# Altium PCB DAC_Sources.PcbDoc (part 1 of 9) (continued)
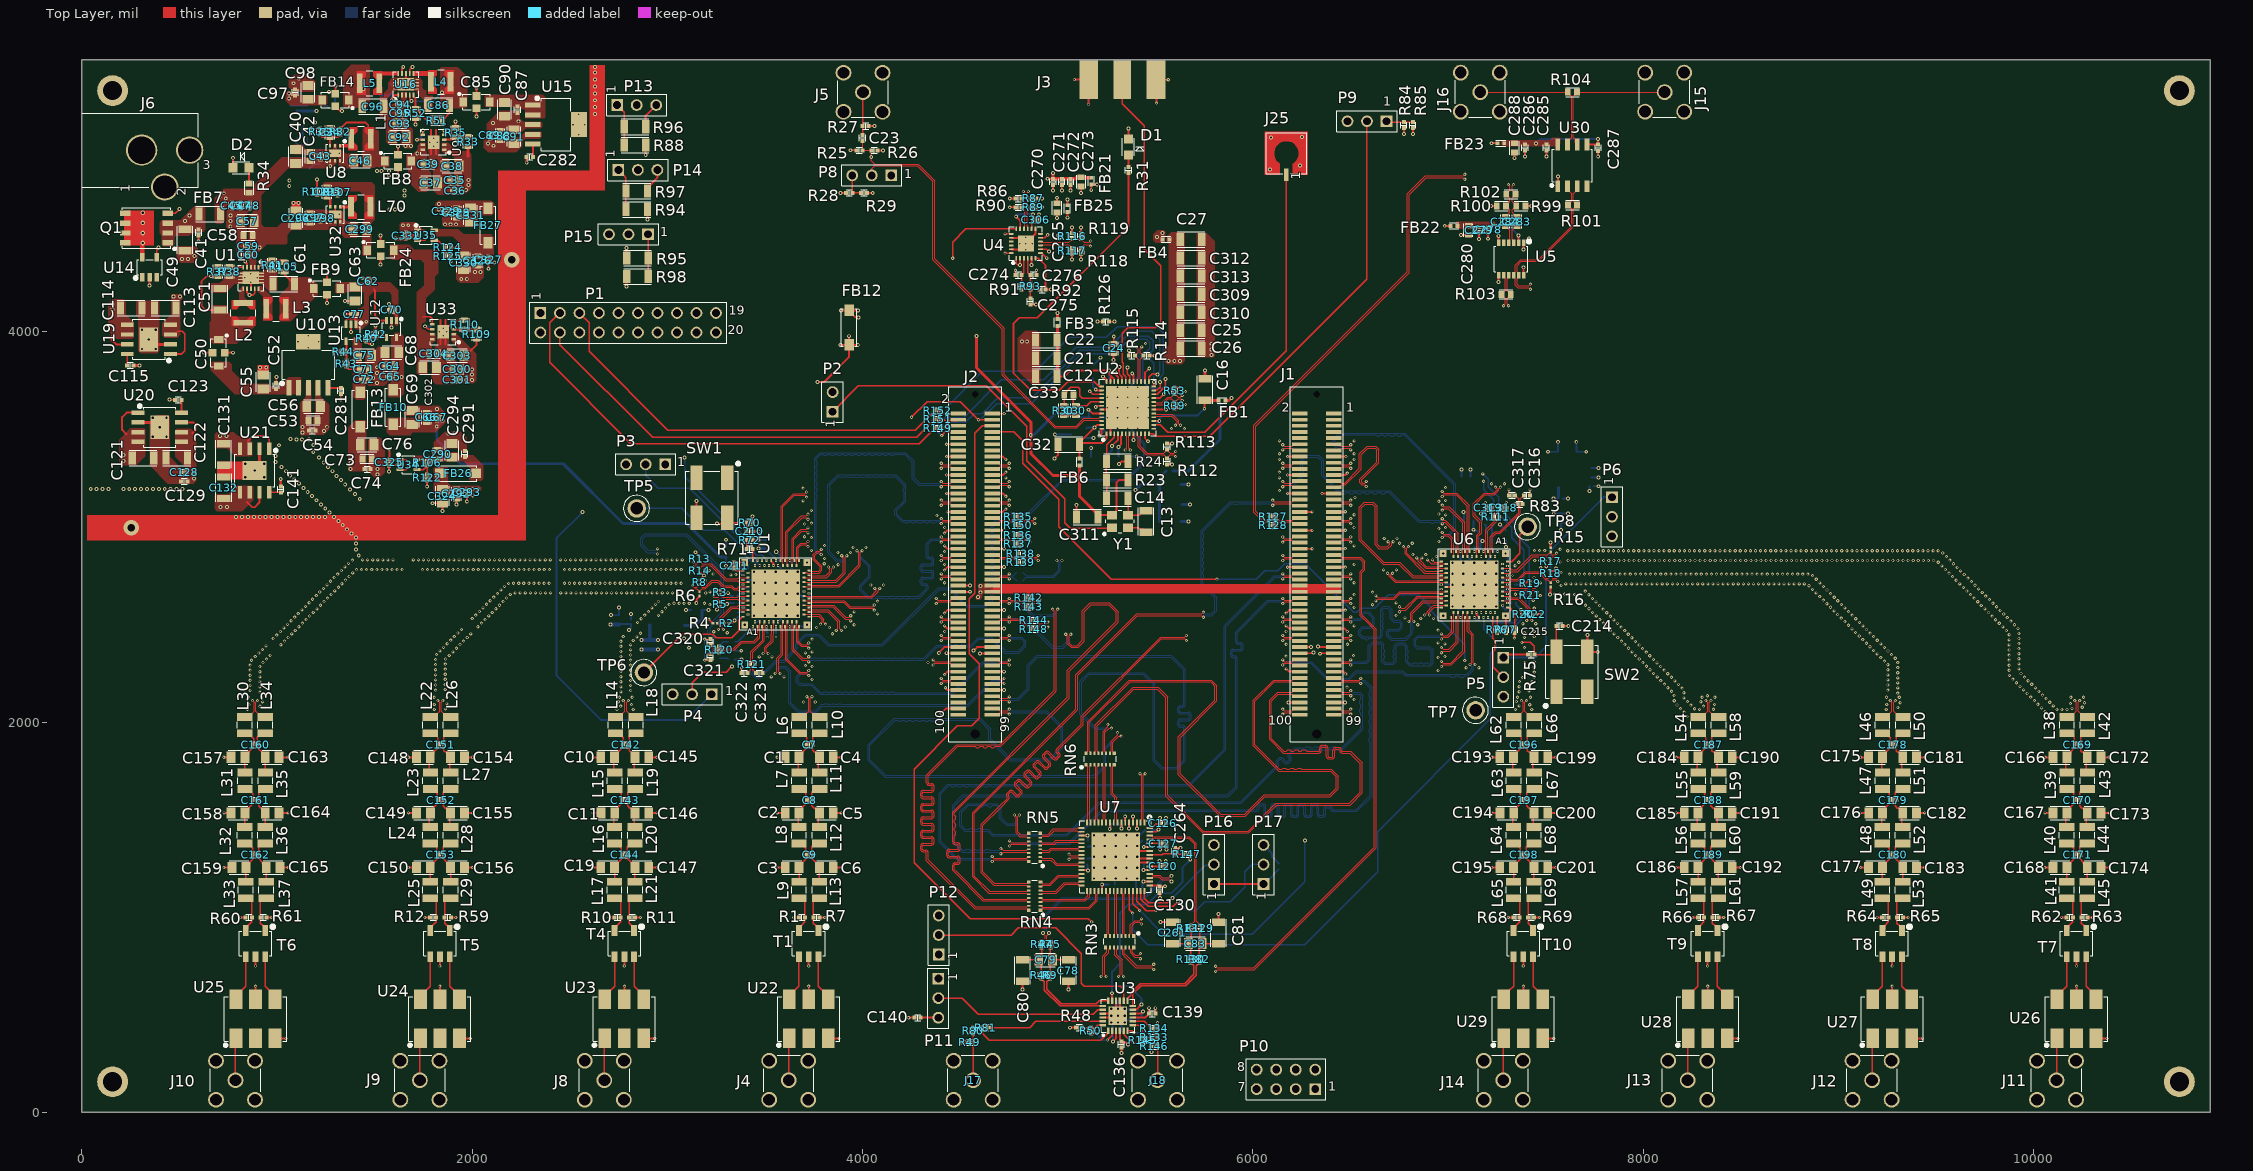
[diagram p0: Top Layer view]
## Components (designator, comment, footprint, x,y, rotation, side; value= is the part's Value field where it differs from the comment)
C1 "600F110JT250XT" C0805 3639.65,1820 r0 top value="11 pF"
C2 "600F120JT250XT" C0805 3640.08,1535 r0 top value="11 pF"
C3 "600F110JT250XT" C0805 3639.65,1255 r0 top value="11 pF"
C4 "600F110JT250XT" C0805 3814.65,1820 r180 top value="11 pF"
C5 "600F120JT250XT" C0805 3814.65,1535 r180 top value="11 pF"
C6 "600F110JT250XT" C0805 3814.65,1255 r180 top value="11 pF"
C7 "GJM1555C1H3R3CB01D" C0402 3729.88,1885 r0 top
C8 "GJM1555C1H3R3CB01D" C0402 3730.39,1600 r0 top
C9 "GJM1555C1H3R3CB01D" C0402 3729.88,1320 r0 top
C10 "600F110JT250XT" C0805 2694.76,1820 r0 top value="11 pF"
C11 "600F120JT250XT" C0805 2695.2,1535 r0 top value="11 pF"
C12 "CL31B103KHFNNNE" C1206 4941.34,3771.26 r180 top
C13 "C1206C150J5GACTU" C1206 5453.15,3027.56 r270 top value="15 pF"
C14 "CL31B103KHFNNNE" C1206 5305.51,3146.85 r180 top
C15 "CL10A475KP8NNNC" C0603 5472.05,3509.84 r180 bottom
C16 "CL31B103KHFNNNE" C1206 5754.72,3703.94 r90 top
C17 "CL10A475KP8NNNC" C0603 5191.73,3560.24 r0 bottom
C18 "CL31B103KHFNNNE" C1206 5067.32,3529.13 r270 bottom
C19 "600F110JT250XT" C0805 2694.76,1255 r0 top value="11 pF"
C20 "CL10A475KP8NNNC" C0603 5268.11,3735.83 r270 bottom
C21 "CL31B103KHFNNNE" C1206 4941.34,3864.57 r180 top
C22 "CL31B103KHFNNNE" C1206 4941.73,3957.48 r180 top
C23 "C1005X7R1E102K050BA" C0402 4000.39,4993.31 r90 top
C24 "CL10A475KP8NNNC" C0603 5287.4,3914.57 r90 top
C25 "CL31B103KHFNNNE" C1206 5683.07,4006.69 r0 top
C26 "CL31B103KHFNNNE" C1206 5683.07,3913.39 r0 top
C27 "CL31B103KHFNNNE" C1206 5683.07,4472.83 r0 top
C28 "CL10A475KP8NNNC" C0603 5337.4,3360.24 r0 bottom
C29 "CL31B103KHFNNNE" C1206 5575.98,3123.62 r0 bottom
C30 "CL10A475KP8NNNC" C0603 5090.55,3596.85 r90 top
C31 "CL10A475KP8NNNC" C0603 5147.24,3480.32 r270 bottom
C32 "CL31B103KHFNNNE" C1206 5056.69,3422.05 r180 top
C33 "GCM188R71C274KA37D" C0603 5057.48,3677.17 r0 top
C34 "C0603C220J5GACTU" C0603 1271.65,5022.05 r270 top value="22 pF"
C35 "C1608X7R1C105K080AC" C0603 1911.81,4775.98 r0 top
C36 "C1005X7R1E103K050BB" C0402 1912.2,4723.23 r180 top
C37 "GRM21BR71A106KE51L" C0805 1787.4,4764.17 r180 top
C38 "GRM21BR71A106KE51L" C0805 1896.85,4848.82 r0 top
C39 "C1608X7R1C105K080AC" C0603 1774.8,4859.84 r180 top
C40 "GRM21BR71A106KE51L" C0805 1096.06,4898.03 r270 top
C41 "C1005X7R1C104K050BC" C0402 598.82,4508.66 r270 top
C42 "C1608X7R1C105K080AC" C0603 1168.9,4898.43 r270 top
C43 "C1005X7R1C104K050BC" C0402 1222.83,4899.21 r90 top
C44 "C1005X7R1C104K050BC" C0402 1758.66,5002.76 r0 bottom
C45 "C1005X5R1C105K050BC" C0402 768.5,4646.85 r90 top
C46 "GRM21BR71A106KE51L" C0805 1426.77,4875.59 r0 top
C47 "C1005X7R1C104K050BC" C0402 813.39,4646.85 r270 top
C48 "C1005X7R1E103K050BB" C0402 858.27,4647.24 r270 top
C49 "GRM31CR61A476ME15L" C1206 527.95,4470.08 r270 top
C50 "NFM31PC276B0J3L" FP-NFM31-0_2-MFG 701.18,3892.91 r270 top
C51 "CL31A226MOCLNNC" C1206 707.87,4166.54 r90 top
C52 "LMK105BJ225KV-F" C0402 995.87,3722.83 r90 top
C53 "C1608X7R1C105K080AC" C0603 1184.45,3546.46 r0 top
C54 "C1005X7R1E103K050BB" C0402 1180.32,3493.31 r180 top
C55 "GRM21BR71A106KE51L" C0805 929.53,3743.31 r270 top
C56 "GRM21BR71A106KE51L" C0805 1187.99,3616.54 r0 top
C57 "GRM21BR71A106KE51L" C0805 847.64,4566.54 r0 top
C58 "C1608X7R1C105K080AC" C0603 851.57,4492.91 r0 top
C59 "C1005X7R1E103K050BB" C0402 852.36,4439.76 r180 top
C60 "C1005X7R1C104K050BC" C0402 851.97,4394.88 r180 top
C61 "CL31A226MOCLNNC" C1206 1034.65,4244.09 r180 top
C62 "C1005X7R1E103K050BB" C0402 1468.11,4259.84 r90 top
C63 "GRM21BR71A106KE51L" C0805 1400,4194.09 r90 top
C64 "C1608X7R1C105K080AC" C0603 1578.35,3822.44 r0 top
C65 "C1005X7R1E103K050BB" C0402 1579.53,3769.68 r180 top
C66 "C1608X7R1C105K080AC" C0603 1765.75,3561.42 r270 top
C67 "C1005X7R1E103K050BB" C0402 1819.68,3561.02 r90 top
C68 "GRM21BR71A106KE51L" C0805 1588.19,3893.31 r0 top
C69 "GRM21BR71A106KE51L" C0805 1693.31,3561.42 r270 top
C70 "LMK105BJ225KV-F" C0402 1588.98,4112.6 r180 top
C71 "C1608X7R1C105K080AC" C0603 1447.24,3808.27 r180 top
C72 "C1005X7R1E103K050BB" C0402 1446.85,3755.91 r0 top
C73 "C1608X7R1C105K080AC" C0603 1461.81,3349.21 r180 top
C74 "C1005X7R1E103K050BB" C0402 1463.39,3296.06 r0 top
C75 "GRM21BR71A106KE51L" C0805 1448.03,3879.13 r180 top
C76 "GRM21BR71A106KE51L" C0805 1461.81,3421.26 r180 top
C77 "LMK105BJ225KV-F" C0402 1395.28,4090.94 r180 top
C78 "C1206C150J5GACTU" C1206 5055.51,727.17 r270 top value="15 pF"
C79 "CBR08C509A1GAC" C0805 4938.98,781.5 r180 top value="5.0 pF"
C80 "C1206C150J5GACTU" C1206 4819.29,726.77 r270 top value="15 pF"
C81 "C1206C150J5GACTU" C1206 5824.8,919.69 r90 top value="15 pF"
C83 "CBR08C509A1GAC" C0805 5705.91,864.96 r180 top value="5.0 pF"
C85 "NFM31PC276B0J3L" FP-NFM31-0_2-MFG 2022.05,5177.17 r0 top
C86 "CL31A226MOCLNNC" C1206 1828.35,5160.24 r180 top
C87 "LMK105BJ225KV-F" C0402 2232.68,5138.19 r270 top
C88 "C1608X7R1C105K080AC" C0603 2143.31,5005.51 r270 top
C89 "C1005X7R1E103K050BB" C0402 2090.94,5006.69 r90 top
C90 "GRM21BR71A106KE51L" C0805 2166.54,5140.16 r90 top
C91 "GRM21BR71A106KE51L" C0805 2213.78,5000.39 r270 top
C92 "GRM21BR71A106KE51L" C0805 1627.17,4996.85 r0 top
C93 "C1608X7R1C105K080AC" C0603 1630.32,5067.32 r0 top
C94 "C1005X7R1E103K050BB" C0402 1631.89,5164.57 r180 top
C95 "C1005X7R1C104K050BC" C0402 1631.5,5119.68 r180 top
C96 "CL31A226MOCLNNC" C1206 1491.34,5153.54 r0 top
C97 "C1005X7R1E103K050BB" C0402 1093.31,5226.38 r90 top
C98 "GRM21BR71A106KE51L" C0805 1159.06,5226.77 r270 top
C99 "C1608X7R1C105K080AC" C0603 1290.75,4962.8 r0 bottom
C100 "C1005X7R1E103K050BB" C0402 1372.44,5028.74 r270 bottom
C101 "C1608X7R1C105K080AC" C0603 1550.39,4915.75 r0 bottom
C102 "C1005X7R1E103K050BB" C0402 1548.82,4860.24 r180 bottom
C103 "GRM21BR71A106KE51L" C0805 1276.77,5035.83 r0 bottom
C104 "GRM21BR71A106KE51L" C0805 1543.31,4988.98 r0 bottom
C105 "LMK105BJ225KV-F" C0402 1102.76,5118.5 r90 bottom
C106 "C1608X7R1C105K080AC" C0603 1127.56,4762.99 r0 bottom
C107 "C1005X7R1E103K050BB" C0402 1127.56,4710.24 r180 bottom
C108 "C1608X7R1C105K080AC" C0603 1557.48,4697.24 r90 bottom
C109 "C1005X7R1E103K050BB" C0402 1612.2,4694.88 r270 bottom
C110 "GRM21BR71A106KE51L" C0805 1117.28,4833.5 r0 bottom
C111 "GRM21BR71A106KE51L" C0805 1486.22,4697.24 r90 bottom
C112 "LMK105BJ225KV-F" C0402 1119.29,5053.54 r0 bottom
C113 "CL31B475KPHNNNE" C1206 427.56,4122.05 r180 top
C114 "CL31B475KPHNNNE" C1206 252.76,4122.05 r0 top
C115 "C1005X7R1E103K050BB" C0402 248.43,3827.95 r0 top
C116 "C1005X7R1C104K050BC" C0402 5154.72,1375.98 r270 bottom
C117 "C1005X7R1C104K050BC" C0402 6132.68,1261.02 r90 bottom
C118 "C1005X7R1C104K050BC" C0402 5443.7,1287.01 r90 bottom
C119 "C1005X7R1C104K050BC" C0402 5418.11,1152.36 r180 bottom
C120 "C1005X7R1C104K050BC" C0402 5540.16,1261.42 r0 top
C121 "CL31B475KPHNNNE" C1206 313.39,3354.33 r0 top
C122 "CL31B475KPHNNNE" C1206 486.22,3354.33 r180 top
C123 "C1005X7R1E103K050BB" C0402 493.7,3651.57 r180 top
C124 "C1005X7R1C104K050BC" C0402 5448.03,1393.27 r180 bottom
C125 "C1005X7R1C104K050BC" C0402 5463.39,1447.24 r180 bottom
C126 "C1005X7R1C104K050BC" C0402 5539.76,1481.1 r0 top
C127 "C1005X7R1C104K050BC" C0402 5541.73,1376.77 r0 top
C128 "C1005X7R1C104K050BC" C0402 524.41,3279.53 r180 top
C129 "C1005X7R1C104K050BC" C0402 524.8,3234.25 r180 top
C130 "C1005X7R1C104K050BC" C0402 5522.83,1141.34 r270 top
C131 "CL31B475KPHNNNE" C1206 726.77,3372.05 r270 top
C132 "CL31B475KPHNNNE" C1206 727.17,3200.79 r90 top
C133 "C1005X7R1C104K050BC" C0402 5295.24,1479.69 r0 bottom
C134 "C1005X7R1C104K050BC" C0402 5150.79,1285.43 r90 bottom
C135 "C1005X7R1C104K050BC" C0402 5276.77,1166.93 r0 bottom
C136 "C1005X7R1C104K050BC" C0402 5326.38,348.43 r270 top
C137 "C1005X7R1C104K050BC" C0402 5281.1,408.66 r90 bottom
C138 "C1005X7R1C104K050BC" C0402 5394.88,478.35 r180 bottom
C139 "C1005X7R1C104K050BC" C0402 5484.65,506.3 r0 top
C140 "C1005X7R1C104K050BC" C0402 4282.68,485.83 r180 top
C141 "C1005X7R1E103K050BB" C0402 1019.29,3192.91 r90 top
C142 "GJM1555C1H3R3CB01D" C0402 2789.13,1885 r0 top
C143 "GJM1555C1H3R3CB01D" C0402 2785.51,1600 r0 top
C144 "GJM1555C1H3R3CB01D" C0402 2784.88,1320 r0 top
C145 "600F110JT250XT" C0805 2869.76,1820 r180 top value="11 pF"
C146 "600F120JT250XT" C0805 2869.76,1535 r180 top value="11 pF"
C147 "600F110JT250XT" C0805 2869.76,1255 r180 top value="11 pF"
C148 "600F110JT250XT" C0805 1749.88,1820 r0 top value="11 pF"
C149 "600F120JT250XT" C0805 1750.31,1535 r0 top value="11 pF"
C150 "600F110JT250XT" C0805 1749.88,1255 r0 top value="11 pF"
C151 "GJM1555C1H3R3CB01D" C0402 1839.88,1885 r0 top
C152 "GJM1555C1H3R3CB01D" C0402 1840.63,1600 r0 top
C153 "GJM1555C1H3R3CB01D" C0402 1839.88,1320 r0 top
C154 "600F110JT250XT" C0805 1924.88,1820 r180 top value="11 pF"
C155 "600F120JT250XT" C0805 1924.88,1535 r180 top value="11 pF"
C156 "600F110JT250XT" C0805 1924.88,1255 r180 top value="11 pF"
C157 "600F110JT250XT" C0805 800,1820 r0 top value="11 pF"
C158 "600F120JT250XT" C0805 800.43,1535 r0 top value="11 pF"
C159 "600F110JT250XT" C0805 805,1255 r0 top value="11 pF"
C160 "GJM1555C1H3R3CB01D" C0402 890.35,1885 r0 top
C161 "GJM1555C1H3R3CB01D" C0402 890.75,1600 r0 top
C162 "GJM1555C1H3R3CB01D" C0402 890.35,1320 r0 top
C163 "600F110JT250XT" C0805 975,1820 r180 top value="11 pF"
C164 "600F120JT250XT" C0805 975,1535 r180 top value="11 pF"
C165 "600F110JT250XT" C0805 980,1255 r180 top value="11 pF"
C166 "600F110JT250XT" C0805 10135.71,1820 r0 top value="11 pF"
C167 "600F120JT250XT" C0805 10136.14,1535 r0 top value="11 pF"
C168 "600F110JT250XT" C0805 10135.71,1255 r0 top value="11 pF"
C169 "GJM1555C1H3R3CB01D" C0402 10225.94,1885 r0 top
C170 "GJM1555C1H3R3CB01D" C0402 10226.46,1600 r0 top
C171 "GJM1555C1H3R3CB01D" C0402 10225.94,1320 r0 top
C172 "600F110JT250XT" C0805 10310.71,1820 r180 top value="11 pF"
C173 "600F120JT250XT" C0805 10310.71,1535 r180 top value="11 pF"
C174 "600F110JT250XT" C0805 10310.71,1255 r180 top value="11 pF"
C175 "600F110JT250XT" C0805 9190.83,1820 r0 top value="11 pF"
C176 "600F120JT250XT" C0805 9191.26,1535 r0 top value="11 pF"
C177 "600F110JT250XT" C0805 9190.83,1255 r0 top value="11 pF"
C178 "GJM1555C1H3R3CB01D" C0402 9281.06,1885 r0 top
C179 "GJM1555C1H3R3CB01D" C0402 9281.57,1600 r0 top
C180 "GJM1555C1H3R3CB01D" C0402 9281.06,1320 r0 top
C181 "600F110JT250XT" C0805 9365.83,1820 r180 top value="11 pF"
C182 "600F120JT250XT" C0805 9365.83,1535 r180 top value="11 pF"
C183 "600F110JT250XT" C0805 9365.83,1255 r180 top value="11 pF"
C184 "600F110JT250XT" C0805 8245.94,1820 r0 top value="11 pF"
C185 "600F120JT250XT" C0805 8246.38,1535 r0 top value="11 pF"
C186 "600F110JT250XT" C0805 8245.94,1255 r0 top value="11 pF"
C187 "GJM1555C1H3R3CB01D" C0402 8336.18,1885 r0 top
C188 "GJM1555C1H3R3CB01D" C0402 8336.69,1600 r0 top
C189 "GJM1555C1H3R3CB01D" C0402 8336.18,1320 r0 top
C190 "600F110JT250XT" C0805 8420.94,1820 r180 top value="11 pF"
C191 "600F120JT250XT" C0805 8420.94,1535 r180 top value="11 pF"
C192 "600F110JT250XT" C0805 8420.94,1255 r180 top value="11 pF"
C193 "600F110JT250XT" C0805 7301.06,1820 r0 top value="11 pF"
C194 "600F120JT250XT" C0805 7301.5,1535 r0 top value="11 pF"
C195 "600F110JT250XT" C0805 7301.06,1255 r0 top value="11 pF"
C196 "GJM1555C1H3R3CB01D" C0402 7391.3,1885 r0 top
C197 "GJM1555C1H3R3CB01D" C0402 7391.81,1600 r0 top
C198 "GJM1555C1H3R3CB01D" C0402 7391.3,1320 r0 top
C199 "600F110JT250XT" C0805 7476.06,1820 r180 top value="11 pF"
C200 "600F120JT250XT" C0805 7476.06,1535 r180 top value="11 pF"
C201 "600F110JT250XT" C0805 7476.06,1255 r180 top value="11 pF"
C202 "LMK063BJ224MP-F" C0201 3582.28,2775.59 r270 bottom
C203 "LMK063BJ224MP-F" C0201 3706.85,2637.8 r180 bottom
C204 "LMK063BJ224MP-F" C0201 3583.07,2537.4 r90 bottom
C205 "LMK107BJ106MALTD" C0603 2909.45,2396.46 r270 bottom
C206 "LMK063BJ224MP-F" C0201 7108.27,2822.05 r270 bottom
C207 "LMK063BJ224MP-F" C0201 7735.43,3208.66 r0 bottom
C208 "LMK063BJ224MP-F" C0201 6976.77,2704.72 r0 bottom
C209 "LMK107BJ106MALTD" C0603 7734.65,3278.35 r90 bottom
C210 "C1005X7R1E102K050BA" C0402 3421.65,2977.56 r0 top
C211 "C1005X7R1C104K050BC" C0402 3342.13,2801.97 r90 top
C212 "C1005X7R1C104K050BC" C0402 3330.71,2321.26 r0 bottom
C213 "C1005X7R1E102K050BA" C0402 3330.31,2365.75 r0 bottom
C214 "C1005X7R1E102K050BA" C0402 7571.26,2492.52 r0 top
C215 "C1005X7R1C104K050BC" C0402 7341.34,2472.83 r270 top
C216 "C1005X7R1C104K050BC" C0402 7189.76,3027.95 r90 bottom
C217 "C1005X7R1E102K050BA" C0402 7233.46,3027.95 r90 bottom
C218 "LMK063BJ104KP-F" C0201 3470.08,2531.1 r90 bottom
C219 "LMK063BJ224MP-F" C0201 3110.24,2417.72 r270 bottom
C220 "LMK063BJ224MP-F" C0201 3412.6,2775.2 r90 bottom
C221 "LMK063BJ224MP-F" C0201 3424.02,2687.4 r0 bottom
C222 "LMK063BJ224MP-F" C0201 3399.61,2728.74 r0 bottom
C223 "LMK063BJ224MP-F" C0201 3425.2,2631.1 r0 bottom
C224 "LMK063BJ224MP-F" C0201 3352.36,2611.02 r180 bottom
C225 "LMK063BJ224MP-F" C0201 3420.47,2574.8 r0 bottom
C226 "LMK107BJ106MALTD" C0603 3153.94,2573.23 r180 bottom
C227 "LMK063BJ224MP-F" C0201 3580.71,2839.37 r90 bottom
C228 "LMK063BJ224MP-F" C0201 3637.8,2799.21 r270 bottom
C229 "LMK063BJ224MP-F" C0201 3556.3,2446.46 r270 bottom
C230 "LMK063BJ224MP-F" C0201 3665.35,2491.34 r0 bottom
C231 "LMK107BJ106MALTD" C0603 3507.87,2909.84 r90 bottom
C232 "LMK063BJ224MP-F" C0201 3362.6,2551.57 r270 bottom
C233 "LMK063BJ224MP-F" C0201 3347.24,2646.85 r180 bottom
C234 "LMK063BJ224MP-F" C0201 3375.59,2776.77 r90 bottom
C235 "LMK107BJ106MALTD" C0603 3300.79,2870.08 r90 bottom
C236 "LMK063BJ224MP-F" C0201 3513.78,2446.46 r270 bottom
C237 "LMK063BJ224MP-F" C0201 2813.39,2513.78 r90 bottom
C238 "LMK107BJ106MALTD" C0603 2751.57,2524.02 r90 bottom
C239 "LMK063BJ104KP-F" C0201 7230.32,2848.43 r180 bottom
C240 "LMK063BJ224MP-F" C0201 7577.95,3145.28 r0 bottom
C241 "LMK063BJ224MP-F" C0201 7261.02,2787.01 r180 bottom
C242 "LMK063BJ224MP-F" C0201 7264.57,2731.89 r180 bottom
C243 "LMK063BJ224MP-F" C0201 7319.29,2751.97 r0 bottom
C244 "LMK063BJ224MP-F" C0201 7270.87,2675.59 r180 bottom
C245 "LMK063BJ224MP-F" C0201 7273.23,2622.05 r180 bottom
C246 "LMK063BJ224MP-F" C0201 7307.09,2574.8 r0 bottom
C247 "LMK107BJ106MALTD" C0603 7297.24,2957.87 r90 bottom
C248 "LMK063BJ224MP-F" C0201 7051.57,2565.75 r90 bottom
C249 "LMK063BJ224MP-F" C0201 7156.81,2533.82 r90 bottom
C250 "LMK063BJ224MP-F" C0201 7064.17,2862.99 r270 bottom
C251 "LMK063BJ224MP-F" C0201 7135.04,2885.04 r90 bottom
C252 "LMK107BJ106MALTD" C0603 7092.13,3257.48 r180 bottom
C253 "LMK063BJ224MP-F" C0201 7307.48,2809.84 r90 bottom
C254 "LMK063BJ224MP-F" C0201 7332.28,2704.72 r0 bottom
C255 "LMK063BJ224MP-F" C0201 7337.8,2613.39 r0 bottom
C256 "LMK107BJ106MALTD" C0603 7578.74,3045.28 r90 bottom
C257 "LMK063BJ224MP-F" C0201 7153.15,2967.72 r270 bottom
C258 "LMK063BJ224MP-F" C0201 7178.35,2894.88 r180 bottom
C259 "LMK107BJ106MALTD" C0603 7106.69,3029.92 r180 bottom
C260 "C1005X7R1C104K050BC" C0402 5292.52,573.62 r0 bottom
C261 "C1206C150J5GACTU" C1206 5587.8,920.08 r90 top value="15 pF"
C263 "C1005X7R1C104K050BC" C0402 5391.34,523.23 r180 bottom
C264 "C1005X7R1C104K050BC" C0402 5601.57,1338.58 r90 top
C265 "CGB3B1X5R1A475K055AC" C0603 4996.46,4634.65 r90 top
C267 "GRM21BR61A106KE19L" C0805 5207.48,3357.48 r0 bottom
C268 "GRM21BR61A106KE19L" C0805 5180.71,3797.64 r270 bottom
C269 "GRM155R61A105KE15D" C0402 5252.36,3503.94 r0 bottom value=1uF
C270 "C1005X7R1E103K050BB" C0402 4976.57,4768.5 r270 top
C271 "C1005X7R1E103K050BB" C0402 5021.46,4768.5 r270 top
C272 "C1005X7R1E103K050BB" C0402 5066.34,4768.5 r270 top
C273 "CGB3B1X5R1A475K055AC" C0603 5120.28,4768.9 r270 top
C274 "C1005X7R1E103K050BB" C0402 4799.21,4291.34 r0 top
C275 "C1005X7R1E103K050BB" C0402 4859.84,4155.51 r90 top
C276 "C1005X7R1E103K050BB" C0402 4875.59,4291.34 r180 top
C277 "C1005X7R1E103K050BB" C0402 7376.38,4455.91 r0 bottom
C278 "C1005X7R1E103K050BB" C0402 7204.72,4522.44 r270 top
C279 "C1005X7R1E103K050BB" C0402 7159.45,4521.65 r270 top
C280 "CGB3B1X5R1A475K055AC" C0603 7104.33,4520.47 r270 top
C281 "C1005X7R1E103K050BB" C0402 1326.77,3697.24 r270 top
C282 "C1005X7R1E103K050BB" C0402 2295.28,4896.46 r180 top
C283 "CC0603KRX7R9BB103" C0603 7353.54,4564.57 r270 top value="10 nF"
C284 "CC0603KRX7R9BB103" C0603 7293.7,4564.57 r270 top value="10 nF"
C285 "C1005X7R1E103K050BB" C0402 7504.33,4944.09 r270 top
C286 "C1005X7R1E103K050BB" C0402 7394.49,4943.7 r270 top
C287 "C1005X7R1E103K050BB" C0402 7769.68,4943.31 r270 top
C288 "CGB3B1X5R1A475K055AC" C0603 7341.34,4942.91 r270 top
C290 "C1608X7R1C105K080AC" C0603 1823.23,3372.44 r270 top
C291 "C1005X7R1E103K050BB" C0402 1962.2,3373.62 r90 top
C292 "C1608X7R1C105K080AC" C0603 1919.68,3169.29 r90 top
C293 "C1005X7R1E103K050BB" C0402 1972.44,3177.56 r270 top
C294 "GRM21BR71A106KE51L" C0805 1896.06,3392.52 r270 top
C295 "C0603C220J5GACTU" C0603 1256.3,4716.54 r270 top value="22 pF"
C296 "GRM21BR71A106KE51L" C0805 1096.85,4583.07 r270 top
C297 "C1608X7R1C105K080AC" C0603 1169.29,4583.46 r270 top
C298 "C1005X7R1C104K050BC" C0402 1223.62,4580.71 r90 top
C299 "GRM21BR71A106KE51L" C0805 1424.8,4525.59 r0 top
C300 "C1608X7R1C105K080AC" C0603 1923.23,3807.87 r0 top
C301 "C1005X7R1E103K050BB" C0402 1924.41,3754.72 r180 top
C302 "GRM21BR71A106KE51L" C0805 1782.28,3816.93 r180 top
C303 "GRM21BR71A106KE51L" C0805 1923.62,3878.35 r0 top
C304 "C1608X7R1C105K080AC" C0603 1801.97,3888.19 r180 top
C305 "C1005X7R1C104K050BC" C0402 1805.12,4027.56 r0 bottom
C306 "C1005X7R1E103K050BB" C0402 4888.58,4573.62 r0 top
C309 "CL31B103KHFNNNE" C1206 5683.07,4192.52 r0 top
C310 "CL31B103KHFNNNE" C1206 5683.07,4099.61 r0 top
C311 "CL31B103KHFNNNE" C1206 5151.57,3051.18 r180 top
C312 "CL31B103KHFNNNE" C1206 5683.07,4379.13 r0 top
C313 "CL31B103KHFNNNE" C1206 5683.07,4285.83 r0 top
C314 "CL31B103KHFNNNE" C1206 5575.98,3029.13 r0 bottom
C315 "CL31B103KHFNNNE" C1206 5575.98,3218.11 r0 bottom
C316 "C1005X7R1E103K050BB" C0402 7404.73,3162.2 r0 top
C317 "C1005X7R1E103K050BB" C0402 7328.35,3162.2 r180 top
C318 "C1005X7R1E103K050BB" C0402 7283.27,3097.64 r0 top
C319 "C1005X7R1E103K050BB" C0402 7207.28,3097.64 r180 top
C320 "C1005X7R1E103K050BB" C0402 3220.08,2409.84 r90 top
C321 "C1005X7R1E103K050BB" C0402 3220.08,2333.47 r270 top
C322 "C1005X7R1E103K050BB" C0402 3395.08,2250.79 r180 top
C323 "C1005X7R1E103K050BB" C0402 3471.06,2250.79 r0 top
C324 "GRM21BR71A106KE51L" C0805 1847.24,3158.27 r90 top
C325 "LMK105BJ225KV-F" C0402 1574.8,3330.71 r270 top
C326 "C1608X7R1C105K080AC" C0603 2028.74,4363.39 r90 top
C327 "C1005X7R1E103K050BB" C0402 2082.28,4370.08 r270 top
C328 "C1608X7R1C105K080AC" C0603 1919.29,4609.84 r90 top
C329 "C1005X7R1E103K050BB" C0402 1867.32,4616.93 r270 top
C330 "GRM21BR71A106KE51L" C0805 1955.91,4354.33 r90 top
C331 "GRM21BR71A106KE51L" C0805 1991.73,4598.43 r90 top
C332 "LMK105BJ225KV-F" C0402 1661.81,4492.91 r270 top
D1 "LTST-C170GKT" FP-LTST-C170GKT-MFG 5362.6,4947.24 r270 top
D2 "LTST-C170TBKT" FP-LTST-C170TBKT-MFG 815.35,4840.94 r0 top
FB1 "BLM15PD121SN1D" BLM15 5842.13,3648.43 r180 top
FB2 "BLM15PD121SN1D" BLM15 4984.25,3596.46 r90 bottom
FB3 "BLM15PD121SN1D" BLM15 4998.82,4048.43 r270 top
FB4 "BLM15PD121SN1D" BLM15 5555.12,4473.62 r0 top
FB5 "BLM15PD121SN1D" BLM15 5573.62,3286.61 r180 bottom
FB6 "BLM15PD121SN1D" BLM15 5111.81,3332.68 r90 top
FB7 "FBMJ3216HM600-T" BEADC3216X130N 655.91,4603.54 r0 top
FB8 "NFM31PC276B0J3L" FP-NFM31-0_2-MFG 1620.08,4875.59 r0 top
FB9 "NFM31PC276B0J3L" FP-NFM31-0_2-MFG 1256.3,4222.05 r0 top
FB10 "BLM41PG102SN1L" BLM41 1595.28,3614.17 r270 top
FB11 "BLM18HE152SN1D" BLM18 3158.66,2479.92 r270 bottom
FB12 "BLM41PG102SN1L" BLM41 3931.89,4022.05 r270 top
FB13 "BLM41PG102SN1L" BLM41 1426.38,3602.76 r270 top
FB14 "NFM31PC276B0J3L" FP-NFM31-0_2-MFG 1299.21,5187.8 r180 top
FB15 "BLM41PG102SN1L" BLM41 1516.54,5134.25 r0 bottom
FB16 "BLM41PG102SN1L" BLM41 1311.42,4737.01 r0 bottom
FB17 "BLM41PG102SN1L" BLM41 2998.43,2495.67 r180 bottom
FB18 "BLM18HE152SN1D" BLM41 7563.39,3296.85 r270 bottom
FB19 "BLM41PG102SN1L" BLM41 7657.48,3296.85 r270 bottom
FB21 "BLM15PD121SN1D" BLM15 5172.24,4772.05 r90 top
FB22 "BLM15PD121SN1D" BLM15 7031.1,4542.91 r0 top
FB23 "BLM15PD121SN1D" BLM15 7270.87,4966.54 r0 top
FB24 "NFM31PC276B0J3L" FP-NFM31-0_2-MFG 1531.1,4418.5 r0 top
FB25 "BLM15PD121SN1D" BLM15 5050,4631.1 r270 top
FB26 "BLM41PG102SN1L" BLM41 1927.95,3274.8 r180 top
FB27 "BLM41PG102SN1L" BLM41 2081.1,4545.67 r90 top
J1 "61083-104400LF" AMPHENOL_61083-104400LF 6327.76,2809.72 r270 top
J2 "61083-104400LF" AMPHENOL_61083-104400LF 4577.76,2809.72 r270 top
J3 "142-0701-801" FP-142-0701-801-MFG 5331.44,5299.61 r0 top
J4 "731000114" MOLX-731000114_V 3622.05,165 r180 top
J5 "731000114" MOLX-731000114_V 4002.76,5227.34 r0 top
J6 "RAPC722X" SWITCH-RAPC712X-3_V 296.69,4931.1 r90 top
J8 "731000114" MOLX-731000114_V 2677.17,165 r180 top
J9 "731000114" MOLX-731000114_V 1732.28,165 r180 top
J10 "731000114" MOLX-731000114_V 787.4,165 r180 top
J11 "731000114" MOLX-731000114_V 10118.11,165 r180 top
J12 "731000114" MOLX-731000114_V 9173.23,165 r180 top
J13 "731000114" MOLX-731000114_V 8228.35,165 r180 top
J14 "731000114" MOLX-731000114_V 7283.46,165 r180 top
J15 "731000114" MOLX-731000114_V 8110.24,5228.22 r0 top
J16 "731000114" MOLX-731000114_V 7165.35,5228.22 r0 top
J17 "731000114" MOLX-731000114_V 4566.93,165 r180 top
J18 "731000114" MOLX-731000114_V 5511.81,165 r180 top
J25 "85305-0232" FP-85305-0232-MFG 6172.05,4914.57 r0 top
L1 "LPS3015-222MR" lps3015 1430.32,4988.98 r0 top
L2 "LPS3015-222MR" lps3015 827.95,4096.85 r270 top
L3 "LPS3015-222MR" lps3015 994.88,4118.5 r0 top
L4 "LPS3015-222MR" lps3015 1839.76,5280.32 r0 top
L5 "LPS3015-222MR" lps3015 1474.02,5274.41 r180 top
L6 "0805HQ-16NXGLC" 0805HP 3675.88,1985 r180 top value=16nH
L7 "0805HP-33NXGRC" 0805HP 3675.65,1700 r180 top value=33nH
L8 "0805HP-33NXGRC" 0805HP 3674.65,1420 r180 top value=33nH
L9 "0805HQ-16NXGLC" 0805HP 3674.65,1140 r180 top value=16nH
L10 "0805HQ-16NXGLC" 0805HP 3780.88,1985 r0 top value=16nH
L11 "0805HP-33NXGRC" 0805HP 3780.65,1700 r0 top value=33nH
L12 "0805HP-33NXGRC" 0805HP 3779.65,1420 r0 top value=33nH
L13 "0805HQ-16NXGLC" 0805HP 3779.65,1140 r0 top value=16nH
L14 "0805HQ-16NXGLC" 0805HP 2734.76,1985 r180 top value=16nH
L15 "0805HP-33NXGRC" 0805HP 2730.76,1700 r180 top value=33nH
L16 "0805HP-33NXGRC" 0805HP 2729.76,1420 r180 top value=33nH
L17 "0805HQ-16NXGLC" 0805HP 2729.76,1140 r180 top value=16nH
L18 "0805HQ-16NXGLC" 0805HP 2839.76,1985 r0 top value=16nH
L19 "0805HP-33NXGRC" 0805HP 2835.76,1700 r0 top value=33nH
L20 "0805HP-33NXGRC" 0805HP 2834.76,1420 r0 top value=33nH
L21 "0805HQ-16NXGLC" 0805HP 2834.76,1140 r0 top value=16nH
L22 "0805HQ-16NXGLC" 0805HP 1784.88,1985 r180 top value=16nH
L23 "0805HP-33NXGRC" 0805HP 1785.88,1700 r180 top value=33nH
L24 "0805HP-33NXGRC" 0805HP 1784.88,1420 r180 top value=33nH
L25 "0805HQ-16NXGLC" 0805HP 1784.88,1140 r180 top value=16nH
L26 "0805HQ-16NXGLC" 0805HP 1889.88,1985 r0 top value=16nH
L27 "0805HP-33NXGRC" 0805HP 1890.88,1700 r0 top value=33nH
L28 "0805HP-33NXGRC" 0805HP 1889.88,1420 r0 top value=33nH
L29 "0805HQ-16NXGLC" 0805HP 1889.88,1140 r0 top value=16nH
L30 "0805HQ-16NXGLC" 0805HP 835,1985 r180 top value=16nH
L31 "0805HP-33NXGRC" 0805HP 836,1700 r180 top value=33nH
L32 "0805HP-33NXGRC" 0805HP 835,1420 r180 top value=33nH
L33 "0805HQ-16NXGLC" 0805HP 840,1140 r180 top value=16nH
L34 "0805HQ-16NXGLC" 0805HP 940,1985 r0 top value=16nH
L35 "0805HP-33NXGRC" 0805HP 941,1700 r0 top value=33nH
L36 "0805HP-33NXGRC" 0805HP 940,1420 r0 top value=33nH
L37 "0805HQ-16NXGLC" 0805HP 945,1140 r0 top value=16nH
L38 "0805HQ-16NXGLC" 0805HP 10171.94,1985 r180 top value=16nH
L39 "0805HP-33NXGRC" 0805HP 10171.71,1700 r180 top value=33nH
L40 "0805HP-33NXGRC" 0805HP 10170.71,1420 r180 top value=33nH
L41 "0805HQ-16NXGLC" 0805HP 10170.71,1140 r180 top value=16nH
L42 "0805HQ-16NXGLC" 0805HP 10276.94,1985 r0 top value=16nH
L43 "0805HP-33NXGRC" 0805HP 10276.71,1700 r0 top value=33nH
L44 "0805HP-33NXGRC" 0805HP 10275.71,1420 r0 top value=33nH
L45 "0805HQ-16NXGLC" 0805HP 10275.71,1140 r0 top value=16nH
L46 "0805HQ-16NXGLC" 0805HP 9227.06,1985 r180 top value=16nH
L47 "0805HP-33NXGRC" 0805HP 9226.83,1700 r180 top value=33nH
L48 "0805HP-33NXGRC" 0805HP 9225.83,1420 r180 top value=33nH
L49 "0805HQ-16NXGLC" 0805HP 9225.83,1140 r180 top value=16nH
L50 "0805HQ-16NXGLC" 0805HP 9332.06,1985 r0 top value=16nH
L51 "0805HP-33NXGRC" 0805HP 9331.83,1700 r0 top value=33nH
L52 "0805HP-33NXGRC" 0805HP 9330.83,1420 r0 top value=33nH
L53 "0805HQ-16NXGLC" 0805HP 9330.83,1140 r0 top value=16nH
L54 "0805HQ-16NXGLC" 0805HP 8282.18,1985 r180 top value=16nH
L55 "0805HP-33NXGRC" 0805HP 8281.94,1700 r180 top value=33nH
L56 "0805HP-33NXGRC" 0805HP 8280.94,1420 r180 top value=33nH
L57 "0805HQ-16NXGLC" 0805HP 8280.94,1140 r180 top value=16nH
L58 "0805HQ-16NXGLC" 0805HP 8387.18,1985 r0 top value=16nH
L59 "0805HP-33NXGRC" 0805HP 8386.94,1700 r0 top value=33nH
L60 "0805HP-33NXGRC" 0805HP 8385.94,1420 r0 top value=33nH
L61 "0805HQ-16NXGLC" 0805HP 8385.94,1140 r0 top value=16nH
L62 "0805HQ-16NXGLC" 0805HP 7337.3,1985 r180 top value=16nH
L63 "0805HP-33NXGRC" 0805HP 7337.06,1700 r180 top value=33nH
L64 "0805HP-33NXGRC" 0805HP 7336.06,1420 r180 top value=33nH
L65 "0805HQ-16NXGLC" 0805HP 7336.06,1140 r180 top value=16nH
L66 "0805HQ-16NXGLC" 0805HP 7442.3,1985 r0 top value=16nH
L67 "0805HP-33NXGRC" 0805HP 7442.06,1700 r0 top value=33nH
L68 "0805HP-33NXGRC" 0805HP 7441.06,1420 r0 top value=33nH
L69 "0805HQ-16NXGLC" 0805HP 7441.06,1140 r0 top value=16nH
L70 "LPS3015-222MR" lps3015 1429.53,4639.76 r0 top
P1 "Header 10X2" HEADER_10X2 2349.61,4096.46 r0 top
P2 "Header 2" HEADER_2X1 3846.85,3590.94 r90 top
P3 "Header 3" HEADER_3X1 2988.98,3320.87 r180 top
P4 "Header 3" HEADER_3X1 3227.17,2142.91 r180 top
P5 "Header 3" HEADER_3X1 7283.86,2330.71 r270 top
P6 "Header 3" HEADER_3X1 7840.55,3152.76 r270 top
P8 "Header 3" HEADER_3X1 4147.64,4801.57 r180 top
P9 "Header 3" HEADER_3X1 6685.04,5079.13 r180 top
P10 "Header 4X2" HEADER_4X2 6319.69,119.69 r180 top
P11 "Header 3" HEADER_3X1 4388.98,685.83 r270 top
P12 "Header 3" HEADER_3X1 4390.55,809.06 r90 top
P13 "Header 3" HEADER_3X1 2742.91,5161.81 r0 top
P14 "Header 3" HEADER_3X1 2749.21,4829.53 r0 top
P15 "Header 3" HEADER_3X1 2901.18,4499.61 r180 top
P16 "Header 3" HEADER_3X1 5800.79,1170.87 r90 top
P17 "Header 3" HEADER_3X1 6055.12,1170.87 r90 top
Q1 "CSD18532Q5BT" FP-DNK0008A-MFG 330.32,4531.89 r0 top
R1 "RMCF0402FT100R" R0402 3689.65,1000 r0 top
R2 "CRCW020149R9FKED" R0201 3304.33,2507.09 r180 top
R3 "CRCW020149R9FKED" R0201 3270.08,2664.49 r270 top
R4 "CRCW020149R9FKED" R0201 3244.49,2507.09 r0 top
R5 "CRCW020149R9FKED" R0201 3270.08,2604.65 r90 top
R6 "CRCW020149R9FKED" R0201 3164.96,2657.09 r90 top
R7 "RMCF0402FT100R" R0402 3764.65,1000 r0 top
R8 "CRCW020149R9FKED" R0201 3164.96,2716.93 r270 top
R9 "AC0402FR-0733RL" R0402 4961.42,701.97 r90 top
R10 "RMCF0402FT100R" R0402 2744.76,1000 r0 top
R11 "RMCF0402FT100R" R0402 2819.76,1000 r0 top
R12 "RMCF0402FT100R" R0402 1799.88,1000 r0 top
R13 "CRCW020149R9FKED" R0201 3164.96,2836.61 r270 top
R14 "CRCW020149R9FKED" R0201 3164.96,2776.77 r90 top
R15 "CRCW020149R9FKED" R0201 7526.38,2883.15 r270 top
R16 "CRCW020149R9FKED" R0201 7526.38,2703.62 r90 top
R17 "CRCW020149R9FKED" R0201 7526.38,2823.31 r90 top
R18 "CRCW020149R9FKED" R0201 7526.38,2763.46 r270 top
R19 "CRCW020149R9FKED" R0201 7421.26,2711.02 r270 top
R20 "CRCW020149R9FKED" R0201 7387.01,2553.62 r0 top
R21 "CRCW020149R9FKED" R0201 7421.26,2651.18 r90 top
R22 "CRCW020149R9FKED" R0201 7446.85,2553.62 r180 top
R23 "RNCP1206FTD10K0" R1206 5305.12,3240.94 r0 top
R24 "RNCP1206FTD10K0" R1206 5305.91,3335.04 r180 top
R25 "ERJ-2RKF82R5X" R0402 3984.25,4930.32 r180 top
R26 "ERJ-2RKF1300X" R0402 4061.02,4929.53 r180 top
R27 "ERJ-2RKF49R9X" R0402 4016.14,5054.72 r180 top
R28 "ERJ-2RKF82R5X" R0402 3931.89,4712.2 r180 top
R29 "ERJ-2RKF1300X" R0402 4007.87,4712.2 r180 top
R30 "RC0603FR-071KL" R0603 5029.53,3596.85 r270 top
R31 "CRCW0402301RFKED" R0402 5362.99,4828.74 r90 top
R32 "750K 5% 0402(1005)" R0402 1324.8,5025.98 r90 top value="750000.00 Ohm"
R33 "ERJ-3EKF3092V" R0603 1979.13,4974.02 r270 top
R34 "ERJ3EKF1002V" R0603 857.48,4736.61 r270 top
R35 "ERJ3EKF1002V" R0603 1915.35,5021.26 r270 top
R36 "RC0402FR-07150KL" R0402 1219.29,5025.98 r270 top
R37 "CRCW0603750KFKEA" R0603 697.64,4308.27 r270 top
R38 "RC0603FR-07150KL" R0603 757.48,4308.27 r90 top
R39 "ERJ-2RKF1500X" R0402 5600,3622.44 r90 top
R40 "RC0402FR-07174KL" R0402 1459.84,3966.93 r270 top
R41 "ERJ-3EKF1823V" R0603 975.2,4342.13 r90 top
R42 "ERJ2RKF3303X" R0402 1505.12,3986.61 r270 top
R43 "RC0402FR-07174KL" R0402 1355.12,3837.01 r270 top
R44 "ERJ2RKF3303X" R0402 1340.16,3898.43 r0 top
R45 "AC0402FR-0715RL" R0402 4962.2,861.42 r90 top
R46 "AC0402FR-0733RL" R0402 4916.54,701.97 r90 top
R47 "AC0402FR-0715RL" R0402 4917.72,861.81 r90 top
R48 "AC0402FR-07120RL" R0402 5110.24,435.04 r180 top
R49 "AC0402FR-0776R8L" R0402 4550.79,359.45 r180 top
R50 "AC0402FR-07200RL" R0402 5170.47,419.29 r270 top
R51 "CRCW0603750KFKEA" R0603 1822.05,5082.28 r0 top
R52 "RC0603FR-07150KL" R0603 1710.24,5118.9 r90 top
R53 "ERJ-2RKF1500X" R0402 5600,3698.43 r270 top
R54 "RC0402FR-07174KL" R0402 1298.03,5131.1 r270 bottom
R55 "ERJ-3EKF1823V" R0603 1587.8,5243.7 r270 bottom
R56 "ERJ2RKF3303X" R0402 1298.15,5211.69 r270 bottom
R57 "RC0402FR-07174KL" R0402 1221.26,4874.41 r270 bottom
R58 "ERJ2RKF3303X" R0402 1220.87,4950.79 r270 bottom
R59 "RMCF0402FT100R" R0402 1874.88,1000 r0 top
R60 "RMCF0402FT100R" R0402 855,1000 r0 top
R61 "RMCF0402FT100R" R0402 930,1000 r0 top
R62 "RMCF0402FT100R" R0402 10185.71,1000 r0 top
R63 "RMCF0402FT100R" R0402 10260.71,1000 r0 top
R64 "RMCF0402FT100R" R0402 9240.83,1000 r0 top
R65 "RMCF0402FT100R" R0402 9315.83,1000 r0 top
R66 "RMCF0402FT100R" R0402 8295.94,1000 r0 top
R67 "RMCF0402FT100R" R0402 8370.94,1000 r0 top
R68 "RMCF0402FT100R" R0402 7351.06,1000 r0 top
R69 "RMCF0402FT100R" R0402 7426.06,1000 r0 top
R70 "ERJ-2RKF1001X" R0402 3421.65,3022.44 r0 top
R71 "ERJ-2RKF1271X" R0402 3421.65,2887.4 r180 top
R72 "CRCW040210R0FKED" R0402 3421.65,2933.07 r0 top
R73 "ERJ-2RKF1001X" R0402 3268.5,2343.7 r270 bottom
R74 "ERJ2GE0R00X" R0402 3329.92,2411.02 r180 bottom
R75 "ERJ-2RKF1001X" R0402 7426.77,2346.46 r180 top
R76 "ERJ-2RKF1271X" R0402 7251.97,2472.83 r270 top
R77 "CRCW040210R0FKED" R0402 7296.85,2472.83 r90 top
R78 "ERJ-2RKF1001X" R0402 7209.84,2967.32 r180 bottom
R79 "ERJ2GE0R00X" R0402 7225.2,2906.3 r90 bottom
R80 "AC0402FR-0791RL" R0402 4566.54,419.69 r90 top
R81 "AC0402FR-07200RL" R0402 4631.5,435.04 r0 top
R82 "AC0402FR-0733RL" R0402 5725.98,785.43 r90 top
R83 "CRCW0402100RFKED" R0402 7366.54,3117.32 r0 top
R84 "ERJ-2RKF82R5X" R0402 6774.02,5059.06 r270 top
R85 "ERJ-2RKF1300X" R0402 6820.08,5059.06 r90 top
R86 "ERJ-2RKF1300X" R0402 4799.21,4683.46 r180 top
R87 "ERJ-2RKF1300X" R0402 4875.59,4683.46 r0 top
R88 "RC1206FR-0760K4L" R1206 2834.25,4956.69 r0 top
R89 "ERJ-2RKF1300X" R0402 4875.59,4638.19 r180 top
R90 "ERJ-2RKF1300X" R0402 4799.21,4638.19 r0 top
R91 "ERJ-2RKF49R9X" R0402 4814.96,4232.28 r90 top
R92 "ERJ2GE0R00X" R0402 4922.05,4216.93 r0 top
R93 "ERJ-2RKF49R9X" R0402 4859.84,4232.28 r270 top
R94 "RC1206FR-0760K4L" R1206 2843.31,4627.95 r0 top
R95 "RC1206FR-0760K4L" R1206 2846.85,4377.56 r180 top
R96 "RC1206FR-0760K4L" R1206 2834.25,5050.79 r180 top
R97 "RC1206FR-0760K4L" R1206 2843.31,4721.65 r180 top
R98 "RC1206FR-0760K4L" R1206 2846.85,4283.07 r0 top
R99 "CRCW060349R9FKEA" R0603 7374.02,4645.28 r180 top
R100 "CRCW060349R9FKEA" R0603 7273.23,4645.28 r0 top
R101 "CRCW0603100RJNEA" R0603 7638.19,4650 r0 top
R102 "CRCW0603100RJNEA" R0603 7322.83,4704.72 r0 top
R103 "CRCW0603100RJNEA" R0603 7298.03,4192.13 r180 top
R104 "CRCW0603100RJNEA" R0603 7637.8,5228.22 r0 top
R105 "AF0603FR-07270KL" R0603 1035.04,4332.28 r270 top
R106 "RC0402FR-07174KL" R0402 1769.68,3329.53 r90 top
R107 "750K 5% 0402(1005)" R0402 1309.06,4714.17 r90 top value="750000.00 Ohm"
R108 "RC0402FR-07150KL" R0402 1204.33,4717.32 r270 top
R109 "ERJ-3EKF3092V" R0603 2023.23,3987.8 r270 top
R110 "ERJ3EKF1002V" R0603 1961.42,4035.43 r270 top
R111 "CRCW0402100RFKED" R0402 7245.28,3052.36 r0 top
R112 "ERJ-2RKF1500X" R0402 5560.24,3335.83 r90 top
R113 "ERJ-2RKF1500X" R0402 5560.24,3411.81 r270 top
R114 "ERJ-2RKF1500X" R0402 5456.1,3878.35 r180 top
R115 "ERJ-2RKF1500X" R0402 5380.12,3878.35 r0 top
R116 "ERJ-2RKF1300X" R0402 5074.02,4490.35 r90 top
R117 "ERJ-2RKF1300X" R0402 5074.02,4414.37 r270 top
R118 "ERJ-2RKF1300X" R0402 5119.69,4414.37 r90 top
R119 "ERJ-2RKF1300X" R0402 5119.69,4490.35 r270 top
R120 "CRCW0402100RFKED" R0402 3265.35,2371.65 r90 top
R121 "CRCW0402100RFKED" R0402 3433.07,2296.06 r180 top
R122 "ERJ2RKF3303X" R0402 1769.68,3253.54 r90 top
R123 "AF0603FR-07270KL" R0603 1495.24,5209.96 r180 bottom
R124 "RC0402FR-07174KL" R0402 1874.8,4432.68 r0 top
R125 "ERJ2RKF3303X" R0402 1874.41,4388.19 r180 top
R126 "ERJ2GE0R00X" R0402 5247.24,4052.36 r180 top
R127 "ERJ2GE0R00X" R0402 6103.86,3052.64 r180 top
R128 "ERJ2GE0R00X" R0402 6103.86,3007.76 r180 top
R129 "AC0402FR-0715RL" R0402 5729.13,944.88 r90 top
R130 "AC0402FR-0733RL" R0402 5681.5,785.43 r90 top
R131 "AC0402FR-0715RL" R0402 5684.25,944.88 r90 top
R132 "AC0402FR-07120RL" R0402 5342.91,418.11 r180 bottom
R133 "AC0402FR-0791RL" R0402 5496.06,385.43 r180 top
R134 "AC0402FR-07200RL" R0402 5496.06,430.31 r180 top
R135 "RC0402JR-070RL" R0402 4797.24,3053.54 r180 top
R136 "RC0402JR-070RL" R0402 4797.24,2958.27 r180 top
R137 "RC0402JR-070RL" R0402 4797.24,2913.78 r180 top
R138 "RC0402JR-070RL" R0402 4811.02,2863.78 r180 top
R139 "RC0402JR-070RL" R0402 4811.02,2818.5 r180 top
R140 "RC0402JR-070RL" R0402 4805.51,2768.11 r180 bottom
R141 "RC0402JR-070RL" R0402 4805.51,2723.62 r180 bottom
R142 "RC0402JR-070RL" R0402 4851.18,2637.22 r180 top
R143 "RC0402JR-070RL" R0402 4851.18,2590.94 r180 top
R144 "RC0402JR-070RL" R0402 4876.38,2522.05 r180 top
R145 "AC0402FR-07200RL" R0402 5435.83,369.69 r270 top
R146 "AC0402FR-0776R8L" R0402 5496.06,340.55 r180 top
R147 "AC0402FR-0733RL" R0402 5661.81,1322.44 r0 top
R148 "RC0402JR-070RL" R0402 4876.38,2477.17 r180 top
R149 "RC0402JR-070RL" R0402 4385.04,3506.69 r180 top
R150 "RC0402JR-070RL" R0402 4797.24,3009.06 r180 top